# EAGLE board Mk4 Final a Panel score (EAGLE 9.0.1), part 16 of 24 (continued)
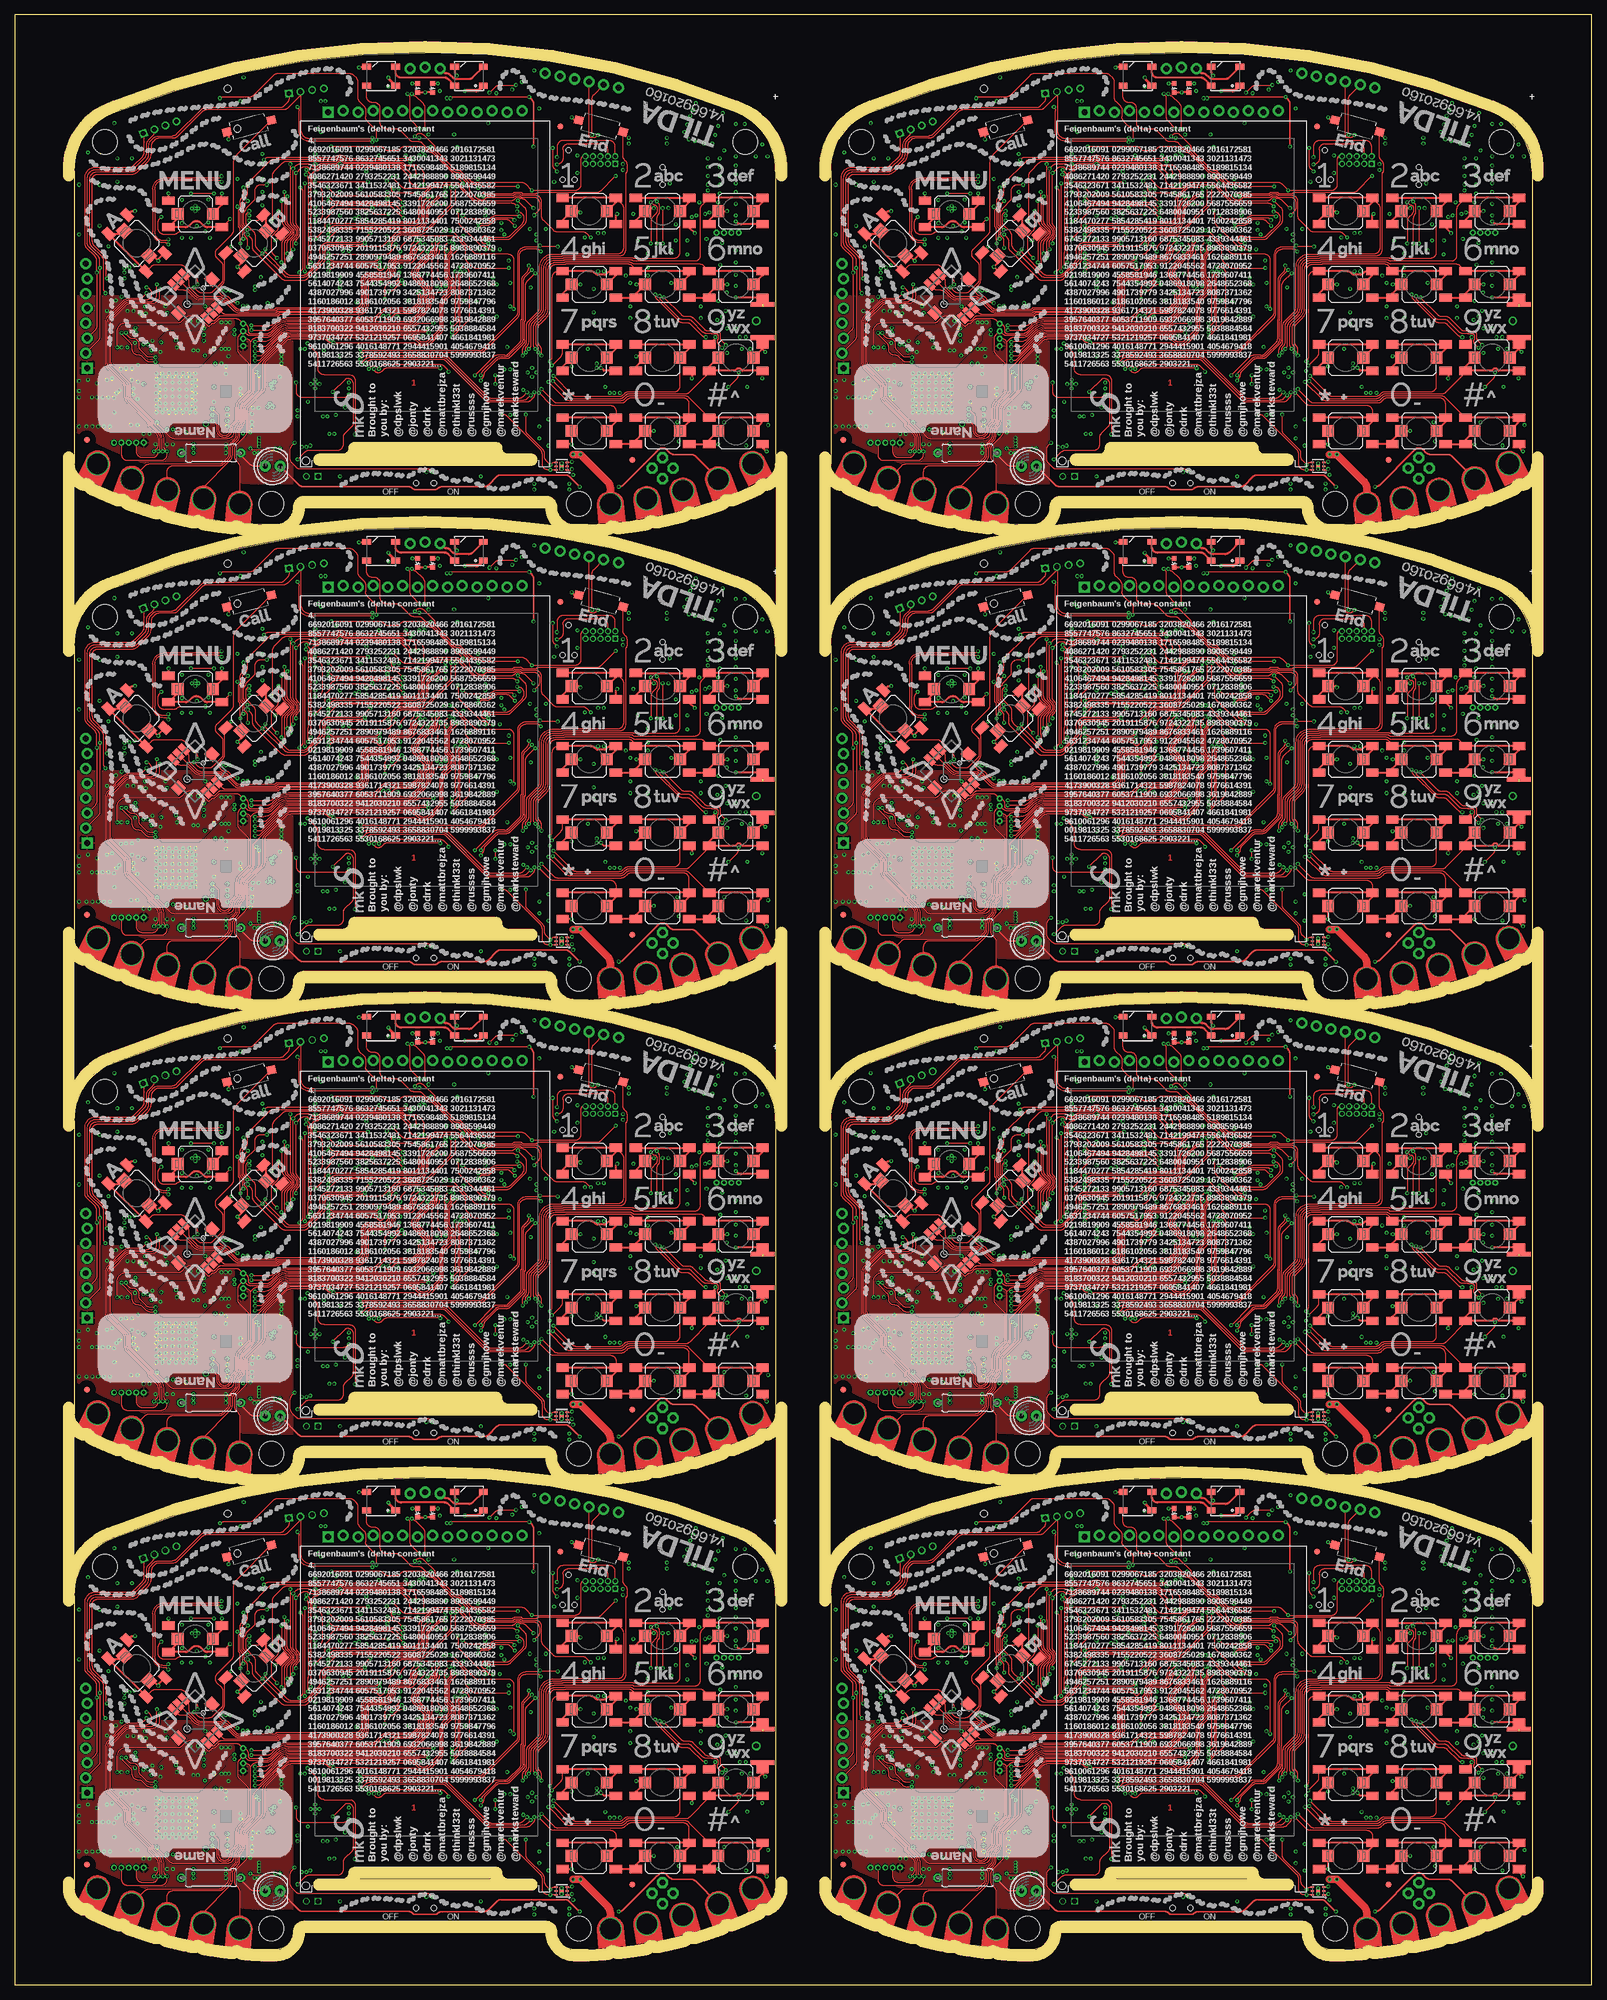
[diagram p0: board, top side]
## Tracks (layer width: path | path; a pad name or v marks a point on that pad's centre or on a via) (continued)
SDRAM_A14  (via drill 0.3)
  Top 0.15: v191.3,50.75 arc-45 190.94,50.6 182.86,50.6 arc-45 v182.5,50.75 | v178.75,66.5 179.11,66.14 arc-45 179.4,65.44 179.4,64.13 arc45 179.44,64.03 arc-45 179.5,63.89 v179.5,50.75
  Bottom 0.15: v178.75,66.5 arc-45 179.23,66.7 IC19.4 | IC20.30 193.6,51.98 arc90 193.35,52.23 192.68,52.23 arc45 192.33,52.08 192.21,51.96 arc45 192,51.45 arc-90 v191.3,50.75 | v182.5,50.75 182.07,50.75 arc45 181.95,50.7 IC19.24 180.8,50.7 180.75,50.75 v179.5,50.75
SDRAM_A15  (via drill 0.3)
  Top 0.15: v178.7,65.75 178.73,65.72 arc-45 179.03,65.01 179.03,52.4 178.97,52.35 178.97,50.02 v179,50 | v191.3,50 v191.29,50.01 arc45 190.59,50.3 183.21,50.3 arc45 v182.51,50.01 v182.5,50
  Bottom 0.15: v178.7,65.75 arc-45 179.06,65.9 IC19.5 | v182.5,50 182.08,50 arc45 181.94,49.94 181.9,49.9 IC19.25 180.85,49.9 180.81,49.94 arc45 180.67,50 v179,50 | IC20.31 193.2,49.85 arc-90 192.7,49.35 191.8,49.35 arc-90 191.3,49.85 v191.3,50 v191.3,49.99
SDRAM_A16  (via drill 0.3)
  Top 0.15: v178.5,64.25 178.47,64.22 178.47,49.27 v178.5,49.25 | v182.5,49.25 182.96,49.71 arc-45 183.66,50 190.14,50 arc-45 190.84,49.71 191.02,49.53 arc90 191.73,49.53 v192.2,50
  Bottom 0.15: v182.5,49.25 182,49.25 181.85,49.1 IC19.26 180.9,49.1 180.81,49.19 arc45 180.67,49.25 v178.5,49.25 | v192.2,50 192.3,50 arc90 192.8,50.5 IC20.32 | v178.5,64.25 178.52,64.25 178.57,64.2 179.61,64.2 arc-45 179.75,64.14 179.78,64.11 arc90 180.83,64.11 181.02,64.3 IC19.7
SDRAM_A17  (via drill 0.3)
  Top 0.15: v182.5,63.5 183.58,62.42 arc45 184.29,62.12 193.71,62.12 arc-45 194.42,61.83 v195.25,61 | v177.75,63.5 177.95,63.3 arc-45 178.1,62.94 178.1,49.76 arc-45 177.95,49.4 v177.55,49
  Bottom 0.15: IC20.22 196.8,59.04 arc45 196.51,59.74 v195.25,61 | v177.75,63.5 IC19.8 v182.5,63.5 | IC19.29 170.59,49.1 arc-45 170.69,49.06 arc45 170.83,49 v177.55,49
SDRAM_A18  (via drill 0.3)
  Top 0.15: v175,62.75 174.97,62.73 174.97,61.58 arc45 175.02,61.48 arc-45 175.07,61.34 175.07,57.8 arc45 175.37,57.09 176.24,56.23 arc-90 176.24,55.52 175.27,54.55 arc45 174.97,53.85 174.97,51.4 175.03,51.35 175.03,50.02 v175,50 | v195.25,60 194.54,60.71 arc45 193.84,61 190.67,61 arc-45 190.53,61.06 190.53,61.07 arc45 190.38,61.12 183.79,61.12 arc-45 183.08,61.42 v182.5,62
  Bottom 0.15: v195.25,60 196.11,59.14 arc-45 196.4,58.44 IC20.23 | v175,62.75 175.09,62.75 arc-45 175.79,62.46 175.96,62.29 arc45 176.66,62 180.42,62 arc-45 180.56,61.94 arc45 180.66,61.9 IC19.10 181.82,61.9 arc45 181.96,61.96 arc-45 182.06,62 v182.5,62 | IC19.30 170.59,49.9 arc45 170.69,49.94 arc-45 170.83,50 v175,50
SDRAM_A19  (via drill 0.3)
  Top 0.15: v174.5,61.25 174.5,59.74 174.53,59.72 174.53,57.93 arc45 174.82,57.22 175.99,56.05 arc-90 175.99,55.7 174.79,54.5 arc45 174.5,53.8 v174.5,50.75 | v195.25,59.25 194.09,60.41 arc45 193.39,60.7 190.55,60.7 arc-45 190.41,60.76 190.4,60.77 arc45 190.26,60.83 183.34,60.83 arc-45 182.63,61.12 v182.5,61.25
  Bottom 0.15: v195.25,59.25 195.71,58.79 arc-45 196,58.09 IC20.24 | v174.5,61.25 180.42,61.25 arc-45 180.56,61.19 180.59,61.16 arc45 180.73,61.1 IC19.11 181.77,61.1 arc45 181.91,61.16 181.94,61.19 arc-45 182.08,61.25 v182.5,61.25 | IC19.31 170.7,50.7 arc-45 170.82,50.75 v174.5,50.75
SDRAM_A20  (via drill 0.3)
  Top 0.15: v195.3,58.3 193.49,60.11 arc45 192.79,60.4 190.43,60.4 arc-45 190.28,60.46 190.28,60.47 arc45 190.13,60.52 183.94,60.52 arc45 183.23,60.23 v182.5,59.5 | v174,59.5 174,56.83 arc-45 173.71,56.12 173.14,55.56 arc45 172.85,54.85 172.85,52.81 arc45 173.14,52.11 v173.75,51.5
  Bottom 0.15: v182.5,59.5 IC19.13 v174,59.5 | IC19.32 v173.75,51.5 | IC20.25 195.6,53.26 195.62,53.28 195.62,57.56 arc45 195.33,58.27 v195.3,58.3
SDRAM_A21  (via drill 0.3)
  Top 0.15: v188.75,54.1 v188.74,54.09 arc-45 188.04,53.8 182.75,53.8 arc90 181.5,52.55 181.5,51.5 arc-45 181.21,50.79 178.88,48.47 arc-45 178.18,48.17 175.74,48.17 arc-45 175.03,48.47 v171.25,52.25 170.29,53.21 arc-45 170,53.91 170,55.33 arc45 169.71,56.03 168.47,57.27 arc-45 168.4,57.45 168.4,58.69 arc-45 168.55,59.05 v169,59.5
  Bottom 0.15: IC19.42 v169,59.5 | IC19.33 170.7,52.3 arc45 170.82,52.25 v171.25,52.25 | IC20.40 190.66,55.6 arc45 189.96,55.31 v188.75,54.1
SDRAM_A22  (via drill 0.3)
  Top 0.15: v168.75,53.25 168.75,54.34 arc45 168.46,55.05 168.38,55.12 arc-45 168.16,55.65 168.16,56.58 arc45 168.09,56.76 167.87,56.98 arc-45 167.8,57.16 167.8,59.24 arc-45 167.95,59.59 168.02,59.67 arc45 168.16,60.02 168.16,60.25 arc-45 168.46,60.96 v168.75,61.25 | v189.65,55.75 188.32,54.42 arc-45 187.61,54.12 182.5,54.12 arc90 181,52.62 181,51.42 arc-45 180.71,50.72 178.76,48.77 arc-45 178.05,48.48 176.2,48.48 arc-45 175.49,48.77 172.04,52.22 arc-45 171.75,52.92 v171.75,53
  Bottom 0.15: IC19.44 169.65,61.1 169.65,61.1 arc45 169.29,61.25 v168.75,61.25 | v168.75,53.25 169.29,53.25 arc-45 169.65,53.1 IC19.34 171.51,53.1 arc-45 v171.75,53 | IC20.41 190.25,56 arc45 v189.65,55.75
SDRAM_A23  (via drill 0.3)
  Top 0.15: v182.5,52.25 182.57,52.17 192.35,52.17 arc45 193.06,52.47 193.9,53.31 arc45 194.05,53.66 v194.05,53.8 | v175.5,52.25 175.5,53.95 arc-45 175.79,54.65 176.48,55.34 arc90 176.48,56.4 175.79,57.09 arc-45 175.5,57.8 v175.5,62
  Bottom 0.15: IC19.45 170.82,61.9 arc45 170.96,61.96 arc-45 171.06,62 v175.5,62 | v182.5,52.25 182,52.25 181.95,52.3 IC19.22 180.8,52.3 arc-45 180.68,52.25 v175.5,52.25 | IC20.50 192.54,59.6 arc-45 193.24,59.31 193.76,58.79 arc-45 194.05,58.09 v194.05,53.8
SDRAM_A24  (via drill 0.3)
  Top 0.15: v168,54.75 168,55.08 167.86,55.22 167.86,56.46 arc45 167.79,56.64 167.57,56.85 arc-45 167.5,57.03 167.5,59.37 arc-45 167.65,59.72 167.72,59.79 arc45 167.86,60.14 167.86,60.95 arc-45 168.16,61.66 168.46,61.96 arc45 168.75,62.66 v168.75,64.25 172.53,68.03 arc-45 173.24,68.33 183.73,68.33 183.79,68.38 arc-90 185.21,68.38 185.42,68.17 195.97,68.17 arc-45 v196.47,67.97
  Bottom 0.15: IC19.48 169.55,64.3 169.5,64.25 v168.75,64.25 | IC19.36 169.55,54.7 169.5,54.75 v168,54.75 | v196.47,67.97 196.8,67.64 IC20.75
SDRAM_A25  (via drill 0.3)
  Top 0.15: v168,63.5 168,62.41 arc-45 167.71,61.71 arc45 167.5,61.21 167.5,60.49 167.53,60.47 167.53,60.1 arc-45 167.47,59.98 167.47,59.97 167.35,59.84 arc45 167.2,59.49 167.2,56.91 arc45 167.27,56.73 167.4,56.6 arc-45 167.47,56.42 167.47,54.53 167.5,54.51 v167.5,54 | v180.25,54.75 181.68,56.18 arc45 181.97,56.89 181.97,57.71 arc-45 182.27,58.42 183.46,59.61 arc-45 184.16,59.9 188.94,59.9 arc-45 189.64,59.61 189.96,59.29 arc45 190.66,59 v192.75,59
  Bottom 0.15: IC19.47 v168,63.5 | v167.5,54 169.42,54 arc-45 169.56,53.94 169.6,53.9 IC19.35 175.49,53.9 arc45 176.19,54.19 176.46,54.46 arc-45 177.16,54.75 v180.25,54.75 | IC20.49 192.27,59.2 arc-45 v192.75,59
SDRAM_A26  (via drill 0.3)
  Top 0.15: v47,148.5 v47,148.49 46.98,148.47 46.98,143.27 47.02,143.22 47.02,138.7 arc45 47.32,137.99 47.73,137.58 arc-90 47.73,136.17 47.27,135.71 arc45 46.98,135 46.98,133.52 47.02,133.47 47.02,133.03 47,133.01 v47,132.5 | v62.3,132.5 61.99,132.19 arc-45 61.29,131.9 54.51,131.9 arc-45 53.81,132.19 v53.5,132.5
  Bottom 0.15: IC37.2 48.21,149.3 arc45 47.51,149.01 v47,148.5 | IC38.29 65,133.03 arc90 64.5,133.53 64.12,133.53 | v53.5,132.5 IC37.23 v47,132.5 | 64.12,133.53 | 64.12,133.53 63.68,133.53 arc45 63.08,133.28 v62.3,132.5
SDRAM_A27  (via drill 0.3)
  Top 0.15: v62.3,131.75 arc-45 61.94,131.6 53.86,131.6 arc-45 v53.5,131.75 | v49.75,147.5 50.11,147.14 arc-45 50.4,146.44 50.4,145.13 arc45 50.44,145.03 arc-45 50.5,144.89 v50.5,131.75
  Bottom 0.15: v49.75,147.5 arc-45 50.23,147.7 IC37.4 | IC38.30 64.6,132.97 arc90 64.35,133.22 63.68,133.22 arc45 63.33,133.08 63.21,132.96 arc45 63,132.45 arc-90 v62.3,131.75 | v53.5,131.75 53.07,131.75 arc45 52.95,131.7 IC37.24 51.8,131.7 51.75,131.75 v50.5,131.75
SDRAM_A28  (via drill 0.3)
  Top 0.15: v49.7,146.75 49.73,146.72 arc-45 50.02,146.01 50.02,133.4 49.98,133.35 49.98,131.03 v50,131 | v62.3,131 v62.29,131.01 arc45 61.59,131.3 54.21,131.3 arc45 v53.51,131.01 v53.5,131
  Bottom 0.15: v49.7,146.75 arc-45 50.06,146.9 IC37.5 | v53.5,131 53.08,131 arc45 52.94,130.94 52.9,130.9 IC37.25 51.85,130.9 51.81,130.94 arc45 51.67,131 v50,131 | IC38.31 64.2,130.85 arc-90 63.7,130.35 62.8,130.35 arc-90 62.3,130.85 v62.3,131 v62.3,130.99
SDRAM_A29  (via drill 0.3)
  Top 0.15: v49.5,145.25 49.48,145.22 49.48,130.28 v49.5,130.25 | v53.5,130.25 53.96,130.71 arc-45 54.66,131 61.14,131 arc-45 61.84,130.71 62.02,130.53 arc90 62.73,130.53 v63.2,131
  Bottom 0.15: v53.5,130.25 53,130.25 52.85,130.1 IC37.26 51.9,130.1 51.81,130.19 arc45 51.67,130.25 v49.5,130.25 | v63.2,131 63.3,131 arc90 63.8,131.5 IC38.32 | v49.5,145.25 49.52,145.25 49.57,145.2 50.61,145.2 arc-45 50.75,145.14 50.77,145.11 arc90 51.84,145.11 52.02,145.3 IC37.7
SDRAM_A30  (via drill 0.3)
  Top 0.15: v53.5,144.5 54.58,143.42 arc45 55.29,143.12 64.71,143.12 arc-45 65.42,142.83 v66.25,142 | v48.75,144.5 48.95,144.3 arc-45 49.1,143.94 49.1,130.76 arc-45 48.95,130.4 v48.55,130
  Bottom 0.15: IC38.22 67.8,140.04 arc45 67.51,140.74 v66.25,142 | v48.75,144.5 IC37.8 v53.5,144.5 | IC37.29 41.59,130.1 arc-45 41.69,130.06 arc45 41.83,130 v48.55,130
SDRAM_A31  (via drill 0.3)
  Top 0.15: v46,143.75 45.98,143.72 45.98,142.58 arc45 46.02,142.48 arc-45 46.08,142.34 46.08,138.8 arc45 46.37,138.09 47.23,137.23 arc-90 47.23,136.52 46.27,135.55 arc45 45.98,134.85 45.98,132.4 46.02,132.35 46.02,131.03 v46,131 | v66.25,141 65.54,141.71 arc45 64.84,142 61.67,142 arc-45 61.53,142.06 61.52,142.07 arc45 61.38,142.12 54.79,142.12 arc-45 54.08,142.42 v53.5,143
  Bottom 0.15: v66.25,141 67.11,140.14 arc-45 67.4,139.44 IC38.23 | v46,143.75 46.09,143.75 arc-45 46.79,143.46 46.96,143.29 arc45 47.66,143 51.42,143 arc-45 51.56,142.94 arc45 51.66,142.9 IC37.10 52.82,142.9 arc45 52.96,142.96 arc-45 53.06,143 v53.5,143 | IC37.30 41.59,130.9 arc45 41.69,130.94 arc-45 41.83,131 v46,131
SDRAM_A32  (via drill 0.3)
  Top 0.15: v45.5,142.25 45.5,140.74 45.52,140.72 45.52,138.93 arc45 45.82,138.22 46.99,137.05 arc-90 46.99,136.7 45.79,135.5 arc45 45.5,134.8 v45.5,131.75 | v66.25,140.25 65.09,141.41 arc45 64.39,141.7 61.55,141.7 arc-45 61.41,141.76 61.4,141.77 arc45 61.26,141.82 54.34,141.82 arc-45 53.63,142.12 v53.5,142.25
  Bottom 0.15: v66.25,140.25 66.71,139.79 arc-45 67,139.09 IC38.24 | v45.5,142.25 51.42,142.25 arc-45 51.56,142.19 51.59,142.16 arc45 51.73,142.1 IC37.11 52.77,142.1 arc45 52.91,142.16 52.94,142.19 arc-45 53.08,142.25 v53.5,142.25 | IC37.31 41.7,131.7 arc-45 41.82,131.75 v45.5,131.75
SDRAM_A33  (via drill 0.3)
  Top 0.15: v66.3,139.3 64.49,141.11 arc45 63.79,141.4 61.42,141.4 arc-45 61.28,141.46 61.28,141.47 arc45 61.13,141.53 54.94,141.53 arc45 54.23,141.23 v53.5,140.5 | v45,140.5 45,137.83 arc-45 44.71,137.12 44.14,136.56 arc45 43.85,135.85 43.85,133.81 arc45 44.14,133.11 v44.75,132.5
  Bottom 0.15: v53.5,140.5 IC37.13 v45,140.5 | IC37.32 v44.75,132.5 | IC38.25 66.6,134.26 66.62,134.28 66.62,138.56 arc45 66.33,139.27 v66.3,139.3
SDRAM_A34  (via drill 0.3)
  Top 0.15: v59.75,135.1 v59.74,135.09 arc-45 59.04,134.8 53.75,134.8 arc90 52.5,133.55 52.5,132.5 arc-45 52.21,131.79 49.89,129.47 arc-45 49.18,129.18 46.74,129.18 arc-45 46.03,129.47 v42.25,133.25 41.29,134.21 arc-45 41,134.91 41,136.33 arc45 40.71,137.03 39.47,138.27 arc-45 39.4,138.45 39.4,139.69 arc-45 39.55,140.05 v40,140.5
  Bottom 0.15: IC37.42 v40,140.5 | IC37.33 41.7,133.3 arc45 41.82,133.25 v42.25,133.25 | IC38.40 61.66,136.6 arc45 60.96,136.31 v59.75,135.1
SDRAM_A35  (via drill 0.3)
  Top 0.15: v39.75,134.25 39.75,135.34 arc45 39.46,136.05 39.38,136.12 arc-45 39.16,136.65 39.16,137.58 arc45 39.09,137.76 38.87,137.98 arc-45 38.8,138.16 38.8,140.24 arc-45 38.95,140.59 39.02,140.67 arc45 39.16,141.02 39.16,141.25 arc-45 39.46,141.96 v39.75,142.25 | v60.65,136.75 59.32,135.42 arc-45 58.61,135.12 53.5,135.12 arc90 52,133.62 52,132.42 arc-45 51.71,131.72 49.76,129.77 arc-45 49.05,129.47 47.2,129.47 arc-45 46.49,129.77 43.04,133.22 arc-45 42.75,133.92 v42.75,134
  Bottom 0.15: IC37.44 40.65,142.1 40.65,142.1 arc45 40.29,142.25 v39.75,142.25 | v39.75,134.25 40.29,134.25 arc-45 40.65,134.1 IC37.34 42.51,134.1 arc-45 v42.75,134 | IC38.41 61.25,137 arc45 v60.65,136.75
SDRAM_A36  (via drill 0.3)
  Top 0.15: v53.5,133.25 53.58,133.18 63.35,133.18 arc45 64.06,133.47 64.9,134.31 arc45 65.05,134.66 v65.05,134.8 | v46.5,133.25 46.5,134.95 arc-45 46.79,135.65 47.48,136.34 arc90 47.48,137.4 46.79,138.09 arc-45 46.5,138.8 v46.5,143
  Bottom 0.15: IC37.45 41.82,142.9 arc45 41.96,142.96 arc-45 42.06,143 v46.5,143 | v53.5,133.25 53,133.25 52.95,133.3 IC37.22 51.8,133.3 arc-45 51.68,133.25 v46.5,133.25 | IC38.50 63.54,140.6 arc-45 64.24,140.31 64.76,139.79 arc-45 65.05,139.09 v65.05,134.8
SDRAM_A37  (via drill 0.3)
  Top 0.15: v39,135.75 39,136.08 38.86,136.22 38.86,137.46 arc45 38.79,137.64 38.57,137.85 arc-45 38.5,138.03 38.5,140.37 arc-45 38.65,140.72 38.72,140.79 arc45 38.86,141.14 38.86,141.95 arc-45 39.16,142.66 39.46,142.96 arc45 39.75,143.66 v39.75,145.25 43.53,149.03 arc-45 44.24,149.32 54.73,149.32 54.79,149.38 arc-90 56.21,149.38 56.42,149.18 66.97,149.18 arc-45 v67.47,148.97
  Bottom 0.15: IC37.48 40.55,145.3 40.5,145.25 v39.75,145.25 | IC37.36 40.55,135.7 40.5,135.75 v39,135.75 | v67.47,148.97 67.8,148.64 IC38.75
SDRAM_A38  (via drill 0.3)
  Top 0.15: v39,144.5 39,143.41 arc-45 38.71,142.71 arc45 38.5,142.21 38.5,141.49 38.52,141.47 38.52,141.1 arc-45 38.48,140.98 38.48,140.97 38.35,140.84 arc45 38.2,140.49 38.2,137.91 arc45 38.27,137.73 38.4,137.6 arc-45 38.48,137.42 38.48,135.53 38.5,135.51 v38.5,135 | v51.25,135.75 52.68,137.18 arc45 52.98,137.89 52.98,138.71 arc-45 53.27,139.42 54.46,140.61 arc-45 55.16,140.9 59.94,140.9 arc-45 60.64,140.61 60.96,140.29 arc45 61.66,140 v63.75,140
  Bottom 0.15: IC37.47 v39,144.5 | v38.5,135 40.42,135 arc-45 40.56,134.94 40.6,134.9 IC37.35 46.49,134.9 arc45 47.19,135.19 47.46,135.46 arc-45 48.16,135.75 v51.25,135.75 | IC38.49 63.27,140.2 arc-45 v63.75,140
SDRAM_A39  (via drill 0.3)
  Top 0.15: v176,148.5 v176,148.49 175.97,148.47 175.97,143.27 176.03,143.22 176.03,138.7 arc45 176.32,137.99 176.73,137.58 arc-90 176.73,136.17 176.27,135.71 arc45 175.97,135 175.97,133.52 176.03,133.47 176.03,133.03 176,133.01 v176,132.5 | v191.3,132.5 190.99,132.19 arc-45 190.29,131.9 183.51,131.9 arc-45 182.81,132.19 v182.5,132.5
  Bottom 0.15: IC55.2 177.21,149.3 arc45 176.51,149.01 v176,148.5 | IC56.29 194,133.03 arc90 193.5,133.53 193.12,133.53 | v182.5,132.5 IC55.23 v176,132.5 | 193.12,133.53 | 193.12,133.53 192.68,133.53 arc45 192.08,133.28 v191.3,132.5
SDRAM_A40  (via drill 0.3)
  Top 0.15: v191.3,131.75 arc-45 190.94,131.6 182.86,131.6 arc-45 v182.5,131.75 | v178.75,147.5 179.11,147.14 arc-45 179.4,146.44 179.4,145.13 arc45 179.44,145.03 arc-45 179.5,144.89 v179.5,131.75
  Bottom 0.15: v178.75,147.5 arc-45 179.23,147.7 IC55.4 | IC56.30 193.6,132.97 arc90 193.35,133.22 192.68,133.22 arc45 192.33,133.08 192.21,132.96 arc45 192,132.45 arc-90 v191.3,131.75 | v182.5,131.75 182.07,131.75 arc45 181.95,131.7 IC55.24 180.8,131.7 180.75,131.75 v179.5,131.75
SDRAM_A41  (via drill 0.3)
  Top 0.15: v178.7,146.75 178.73,146.72 arc-45 179.03,146.01 179.03,133.4 178.97,133.35 178.97,131.03 v179,131 | v191.3,131 v191.29,131.01 arc45 190.59,131.3 183.21,131.3 arc45 v182.51,131.01 v182.5,131
  Bottom 0.15: v178.7,146.75 arc-45 179.06,146.9 IC55.5 | v182.5,131 182.08,131 arc45 181.94,130.94 181.9,130.9 IC55.25 180.85,130.9 180.81,130.94 arc45 180.67,131 v179,131 | IC56.31 193.2,130.85 arc-90 192.7,130.35 191.8,130.35 arc-90 191.3,130.85 v191.3,131 v191.3,130.99
SDRAM_A42  (via drill 0.3)
  Top 0.15: v178.5,145.25 178.47,145.22 178.47,130.28 v178.5,130.25 | v182.5,130.25 182.96,130.71 arc-45 183.66,131 190.14,131 arc-45 190.84,130.71 191.02,130.53 arc90 191.73,130.53 v192.2,131
  Bottom 0.15: v182.5,130.25 182,130.25 181.85,130.1 IC55.26 180.9,130.1 180.81,130.19 arc45 180.67,130.25 v178.5,130.25 | v192.2,131 192.3,131 arc90 192.8,131.5 IC56.32 | v178.5,145.25 178.52,145.25 178.57,145.2 179.61,145.2 arc-45 179.75,145.14 179.78,145.11 arc90 180.83,145.11 181.02,145.3 IC55.7
SDRAM_A43  (via drill 0.3)
  Top 0.15: v182.5,144.5 183.58,143.42 arc45 184.29,143.12 193.71,143.12 arc-45 194.42,142.83 v195.25,142 | v177.75,144.5 177.95,144.3 arc-45 178.1,143.94 178.1,130.76 arc-45 177.95,130.4 v177.55,130
  Bottom 0.15: IC56.22 196.8,140.04 arc45 196.51,140.74 v195.25,142 | v177.75,144.5 IC55.8 v182.5,144.5 | IC55.29 170.59,130.1 arc-45 170.69,130.06 arc45 170.83,130 v177.55,130
SDRAM_A44  (via drill 0.3)
  Top 0.15: v175,143.75 174.97,143.72 174.97,142.58 arc45 175.02,142.48 arc-45 175.07,142.34 175.07,138.8 arc45 175.37,138.09 176.24,137.23 arc-90 176.24,136.52 175.27,135.55 arc45 174.97,134.85 174.97,132.4 175.03,132.35 175.03,131.03 v175,131 | v195.25,141 194.54,141.71 arc45 193.84,142 190.67,142 arc-45 190.53,142.06 190.53,142.07 arc45 190.38,142.12 183.79,142.12 arc-45 183.08,142.42 v182.5,143
  Bottom 0.15: v195.25,141 196.11,140.14 arc-45 196.4,139.44 IC56.23 | v175,143.75 175.09,143.75 arc-45 175.79,143.46 175.96,143.29 arc45 176.66,143 180.42,143 arc-45 180.56,142.94 arc45 180.66,142.9 IC55.10 181.82,142.9 arc45 181.96,142.96 arc-45 182.06,143 v182.5,143 | IC55.30 170.59,130.9 arc45 170.69,130.94 arc-45 170.83,131 v175,131
SDRAM_A45  (via drill 0.3)
  Top 0.15: v174.5,142.25 174.5,140.74 174.53,140.72 174.53,138.93 arc45 174.82,138.22 175.99,137.05 arc-90 175.99,136.7 174.79,135.5 arc45 174.5,134.8 v174.5,131.75 | v195.25,140.25 194.09,141.41 arc45 193.39,141.7 190.55,141.7 arc-45 190.41,141.76 190.4,141.77 arc45 190.26,141.82 183.34,141.82 arc-45 182.63,142.12 v182.5,142.25
  Bottom 0.15: v195.25,140.25 195.71,139.79 arc-45 196,139.09 IC56.24 | v174.5,142.25 180.42,142.25 arc-45 180.56,142.19 180.59,142.16 arc45 180.73,142.1 IC55.11 181.77,142.1 arc45 181.91,142.16 181.94,142.19 arc-45 182.08,142.25 v182.5,142.25 | IC55.31 170.7,131.7 arc-45 170.82,131.75 v174.5,131.75
SDRAM_A46  (via drill 0.3)
  Top 0.15: v195.3,139.3 193.49,141.11 arc45 192.79,141.4 190.43,141.4 arc-45 190.28,141.46 190.28,141.47 arc45 190.13,141.53 183.94,141.53 arc45 183.23,141.23 v182.5,140.5 | v174,140.5 174,137.83 arc-45 173.71,137.12 173.14,136.56 arc45 172.85,135.85 172.85,133.81 arc45 173.14,133.11 v173.75,132.5
  Bottom 0.15: v182.5,140.5 IC55.13 v174,140.5 | IC55.32 v173.75,132.5 | IC56.25 195.6,134.26 195.62,134.28 195.62,138.56 arc45 195.33,139.27 v195.3,139.3
SDRAM_A47  (via drill 0.3)
  Top 0.15: v188.75,135.1 v188.74,135.09 arc-45 188.04,134.8 182.75,134.8 arc90 181.5,133.55 181.5,132.5 arc-45 181.21,131.79 178.88,129.47 arc-45 178.18,129.18 175.74,129.18 arc-45 175.03,129.47 v171.25,133.25 170.29,134.21 arc-45 170,134.91 170,136.33 arc45 169.71,137.03 168.47,138.27 arc-45 168.4,138.45 168.4,139.69 arc-45 168.55,140.05 v169,140.5
  Bottom 0.15: IC55.42 v169,140.5 | IC55.33 170.7,133.3 arc45 170.82,133.25 v171.25,133.25 | IC56.40 190.66,136.6 arc45 189.96,136.31 v188.75,135.1
SDRAM_A48  (via drill 0.3)
  Top 0.15: v168.75,134.25 168.75,135.34 arc45 168.46,136.05 168.38,136.12 arc-45 168.16,136.65 168.16,137.58 arc45 168.09,137.76 167.87,137.98 arc-45 167.8,138.16 167.8,140.24 arc-45 167.95,140.59 168.02,140.67 arc45 168.16,141.02 168.16,141.25 arc-45 168.46,141.96 v168.75,142.25 | v189.65,136.75 188.32,135.42 arc-45 187.61,135.12 182.5,135.12 arc90 181,133.62 181,132.42 arc-45 180.71,131.72 178.76,129.77 arc-45 178.05,129.47 176.2,129.47 arc-45 175.49,129.77 172.04,133.22 arc-45 171.75,133.92 v171.75,134
  Bottom 0.15: IC55.44 169.65,142.1 169.65,142.1 arc45 169.29,142.25 v168.75,142.25 | v168.75,134.25 169.29,134.25 arc-45 169.65,134.1 IC55.34 171.51,134.1 arc-45 v171.75,134 | IC56.41 190.25,137 arc45 v189.65,136.75
SDRAM_A49  (via drill 0.3)
  Top 0.15: v182.5,133.25 182.57,133.18 192.35,133.18 arc45 193.06,133.47 193.9,134.31 arc45 194.05,134.66 v194.05,134.8 | v175.5,133.25 175.5,134.95 arc-45 175.79,135.65 176.48,136.34 arc90 176.48,137.4 175.79,138.09 arc-45 175.5,138.8 v175.5,143
  Bottom 0.15: IC55.45 170.82,142.9 arc45 170.96,142.96 arc-45 171.06,143 v175.5,143 | v182.5,133.25 182,133.25 181.95,133.3 IC55.22 180.8,133.3 arc-45 180.68,133.25 v175.5,133.25 | IC56.50 192.54,140.6 arc-45 193.24,140.31 193.76,139.79 arc-45 194.05,139.09 v194.05,134.8
SDRAM_A50  (via drill 0.3)
  Top 0.15: v168,135.75 168,136.08 167.86,136.22 167.86,137.46 arc45 167.79,137.64 167.57,137.85 arc-45 167.5,138.03 167.5,140.37 arc-45 167.65,140.72 167.72,140.79 arc45 167.86,141.14 167.86,141.95 arc-45 168.16,142.66 168.46,142.96 arc45 168.75,143.66 v168.75,145.25 172.53,149.03 arc-45 173.24,149.32 183.73,149.32 183.79,149.38 arc-90 185.21,149.38 185.42,149.18 195.97,149.18 arc-45 v196.47,148.97
  Bottom 0.15: IC55.48 169.55,145.3 169.5,145.25 v168.75,145.25 | IC55.36 169.55,135.7 169.5,135.75 v168,135.75 | v196.47,148.97 196.8,148.64 IC56.75
SDRAM_A51  (via drill 0.3)
  Top 0.15: v168,144.5 168,143.41 arc-45 167.71,142.71 arc45 167.5,142.21 167.5,141.49 167.53,141.47 167.53,141.1 arc-45 167.47,140.98 167.47,140.97 167.35,140.84 arc45 167.2,140.49 167.2,137.91 arc45 167.27,137.73 167.4,137.6 arc-45 167.47,137.42 167.47,135.53 167.5,135.51 v167.5,135 | v180.25,135.75 181.68,137.18 arc45 181.97,137.89 181.97,138.71 arc-45 182.27,139.42 183.46,140.61 arc-45 184.16,140.9 188.94,140.9 arc-45 189.64,140.61 189.96,140.29 arc45 190.66,140 v192.75,140
  Bottom 0.15: IC55.47 v168,144.5 | v167.5,135 169.42,135 arc-45 169.56,134.94 169.6,134.9 IC55.35 175.49,134.9 arc45 176.19,135.19 176.46,135.46 arc-45 177.16,135.75 v180.25,135.75 | IC56.49 192.27,140.2 arc-45 v192.75,140
SDRAM_A52  (via drill 0.3)
  Top 0.15: v47,229.5 v47,229.49 46.98,229.47 46.98,224.27 47.02,224.22 47.02,219.7 arc45 47.32,218.99 47.73,218.58 arc-90 47.73,217.17 47.27,216.71 arc45 46.98,216 46.98,214.52 47.02,214.47 47.02,214.03 47,214.01 v47,213.5 | v62.3,213.5 61.99,213.19 arc-45 61.29,212.9 54.51,212.9 arc-45 53.81,213.19 v53.5,213.5
  Bottom 0.15: IC73.2 48.21,230.3 arc45 47.51,230.01 v47,229.5 | IC74.29 65,214.03 arc90 64.5,214.53 64.12,214.53 | v53.5,213.5 IC73.23 v47,213.5 | 64.12,214.53 | 64.12,214.53 63.68,214.53 arc45 63.08,214.28 v62.3,213.5
SDRAM_A53  (via drill 0.3)
  Top 0.15: v62.3,212.75 arc-45 61.94,212.6 53.86,212.6 arc-45 v53.5,212.75 | v49.75,228.5 50.11,228.14 arc-45 50.4,227.44 50.4,226.13 arc45 50.44,226.03 arc-45 50.5,225.89 v50.5,212.75
  Bottom 0.15: v49.75,228.5 arc-45 50.23,228.7 IC73.4 | IC74.30 64.6,213.97 arc90 64.35,214.22 63.68,214.22 arc45 63.33,214.08 63.21,213.96 arc45 63,213.45 arc-90 v62.3,212.75 | v53.5,212.75 53.07,212.75 arc45 52.95,212.7 IC73.24 51.8,212.7 51.75,212.75 v50.5,212.75
SDRAM_A54  (via drill 0.3)
  Top 0.15: v49.7,227.75 49.73,227.72 arc-45 50.02,227.01 50.02,214.4 49.98,214.35 49.98,212.03 v50,212 | v62.3,212 v62.29,212.01 arc45 61.59,212.3 54.21,212.3 arc45 v53.51,212.01 v53.5,212
  Bottom 0.15: v49.7,227.75 arc-45 50.06,227.9 IC73.5 | v53.5,212 53.08,212 arc45 52.94,211.94 52.9,211.9 IC73.25 51.85,211.9 51.81,211.94 arc45 51.67,212 v50,212 | IC74.31 64.2,211.85 arc-90 63.7,211.35 62.8,211.35 arc-90 62.3,211.85 v62.3,212 v62.3,211.99
SDRAM_A55  (via drill 0.3)
  Top 0.15: v49.5,226.25 49.48,226.22 49.48,211.28 v49.5,211.25 | v53.5,211.25 53.96,211.71 arc-45 54.66,212 61.14,212 arc-45 61.84,211.71 62.02,211.53 arc90 62.73,211.53 v63.2,212
  Bottom 0.15: v53.5,211.25 53,211.25 52.85,211.1 IC73.26 51.9,211.1 51.81,211.19 arc45 51.67,211.25 v49.5,211.25 | v63.2,212 63.3,212 arc90 63.8,212.5 IC74.32 | v49.5,226.25 49.52,226.25 49.57,226.2 50.61,226.2 arc-45 50.75,226.14 50.77,226.11 arc90 51.84,226.11 52.02,226.3 IC73.7
SDRAM_A56  (via drill 0.3)
  Top 0.15: v53.5,225.5 54.58,224.42 arc45 55.29,224.12 64.71,224.12 arc-45 65.42,223.83 v66.25,223 | v48.75,225.5 48.95,225.3 arc-45 49.1,224.94 49.1,211.76 arc-45 48.95,211.4 v48.55,211
  Bottom 0.15: IC74.22 67.8,221.04 arc45 67.51,221.74 v66.25,223 | v48.75,225.5 IC73.8 v53.5,225.5 | IC73.29 41.59,211.1 arc-45 41.69,211.06 arc45 41.83,211 v48.55,211
SDRAM_A57  (via drill 0.3)
  Top 0.15: v46,224.75 45.98,224.72 45.98,223.58 arc45 46.02,223.48 arc-45 46.08,223.34 46.08,219.8 arc45 46.37,219.09 47.23,218.23 arc-90 47.23,217.52 46.27,216.55 arc45 45.98,215.85 45.98,213.4 46.02,213.35 46.02,212.03 v46,212 | v66.25,222 65.54,222.71 arc45 64.84,223 61.67,223 arc-45 61.53,223.06 61.52,223.07 arc45 61.38,223.12 54.79,223.12 arc-45 54.08,223.42 v53.5,224
  Bottom 0.15: v66.25,222 67.11,221.14 arc-45 67.4,220.44 IC74.23 | v46,224.75 46.09,224.75 arc-45 46.79,224.46 46.96,224.29 arc45 47.66,224 51.42,224 arc-45 51.56,223.94 arc45 51.66,223.9 IC73.10 52.82,223.9 arc45 52.96,223.96 arc-45 53.06,224 v53.5,224 | IC73.30 41.59,211.9 arc45 41.69,211.94 arc-45 41.83,212 v46,212
SDRAM_A58  (via drill 0.3)
  Top 0.15: v45.5,223.25 45.5,221.74 45.52,221.72 45.52,219.93 arc45 45.82,219.22 46.99,218.05 arc-90 46.99,217.7 45.79,216.5 arc45 45.5,215.8 v45.5,212.75 | v66.25,221.25 65.09,222.41 arc45 64.39,222.7 61.55,222.7 arc-45 61.41,222.76 61.4,222.77 arc45 61.26,222.82 54.34,222.82 arc-45 53.63,223.12 v53.5,223.25